# Allegro board FMDEMOD-before-back-annote.brd (continued)
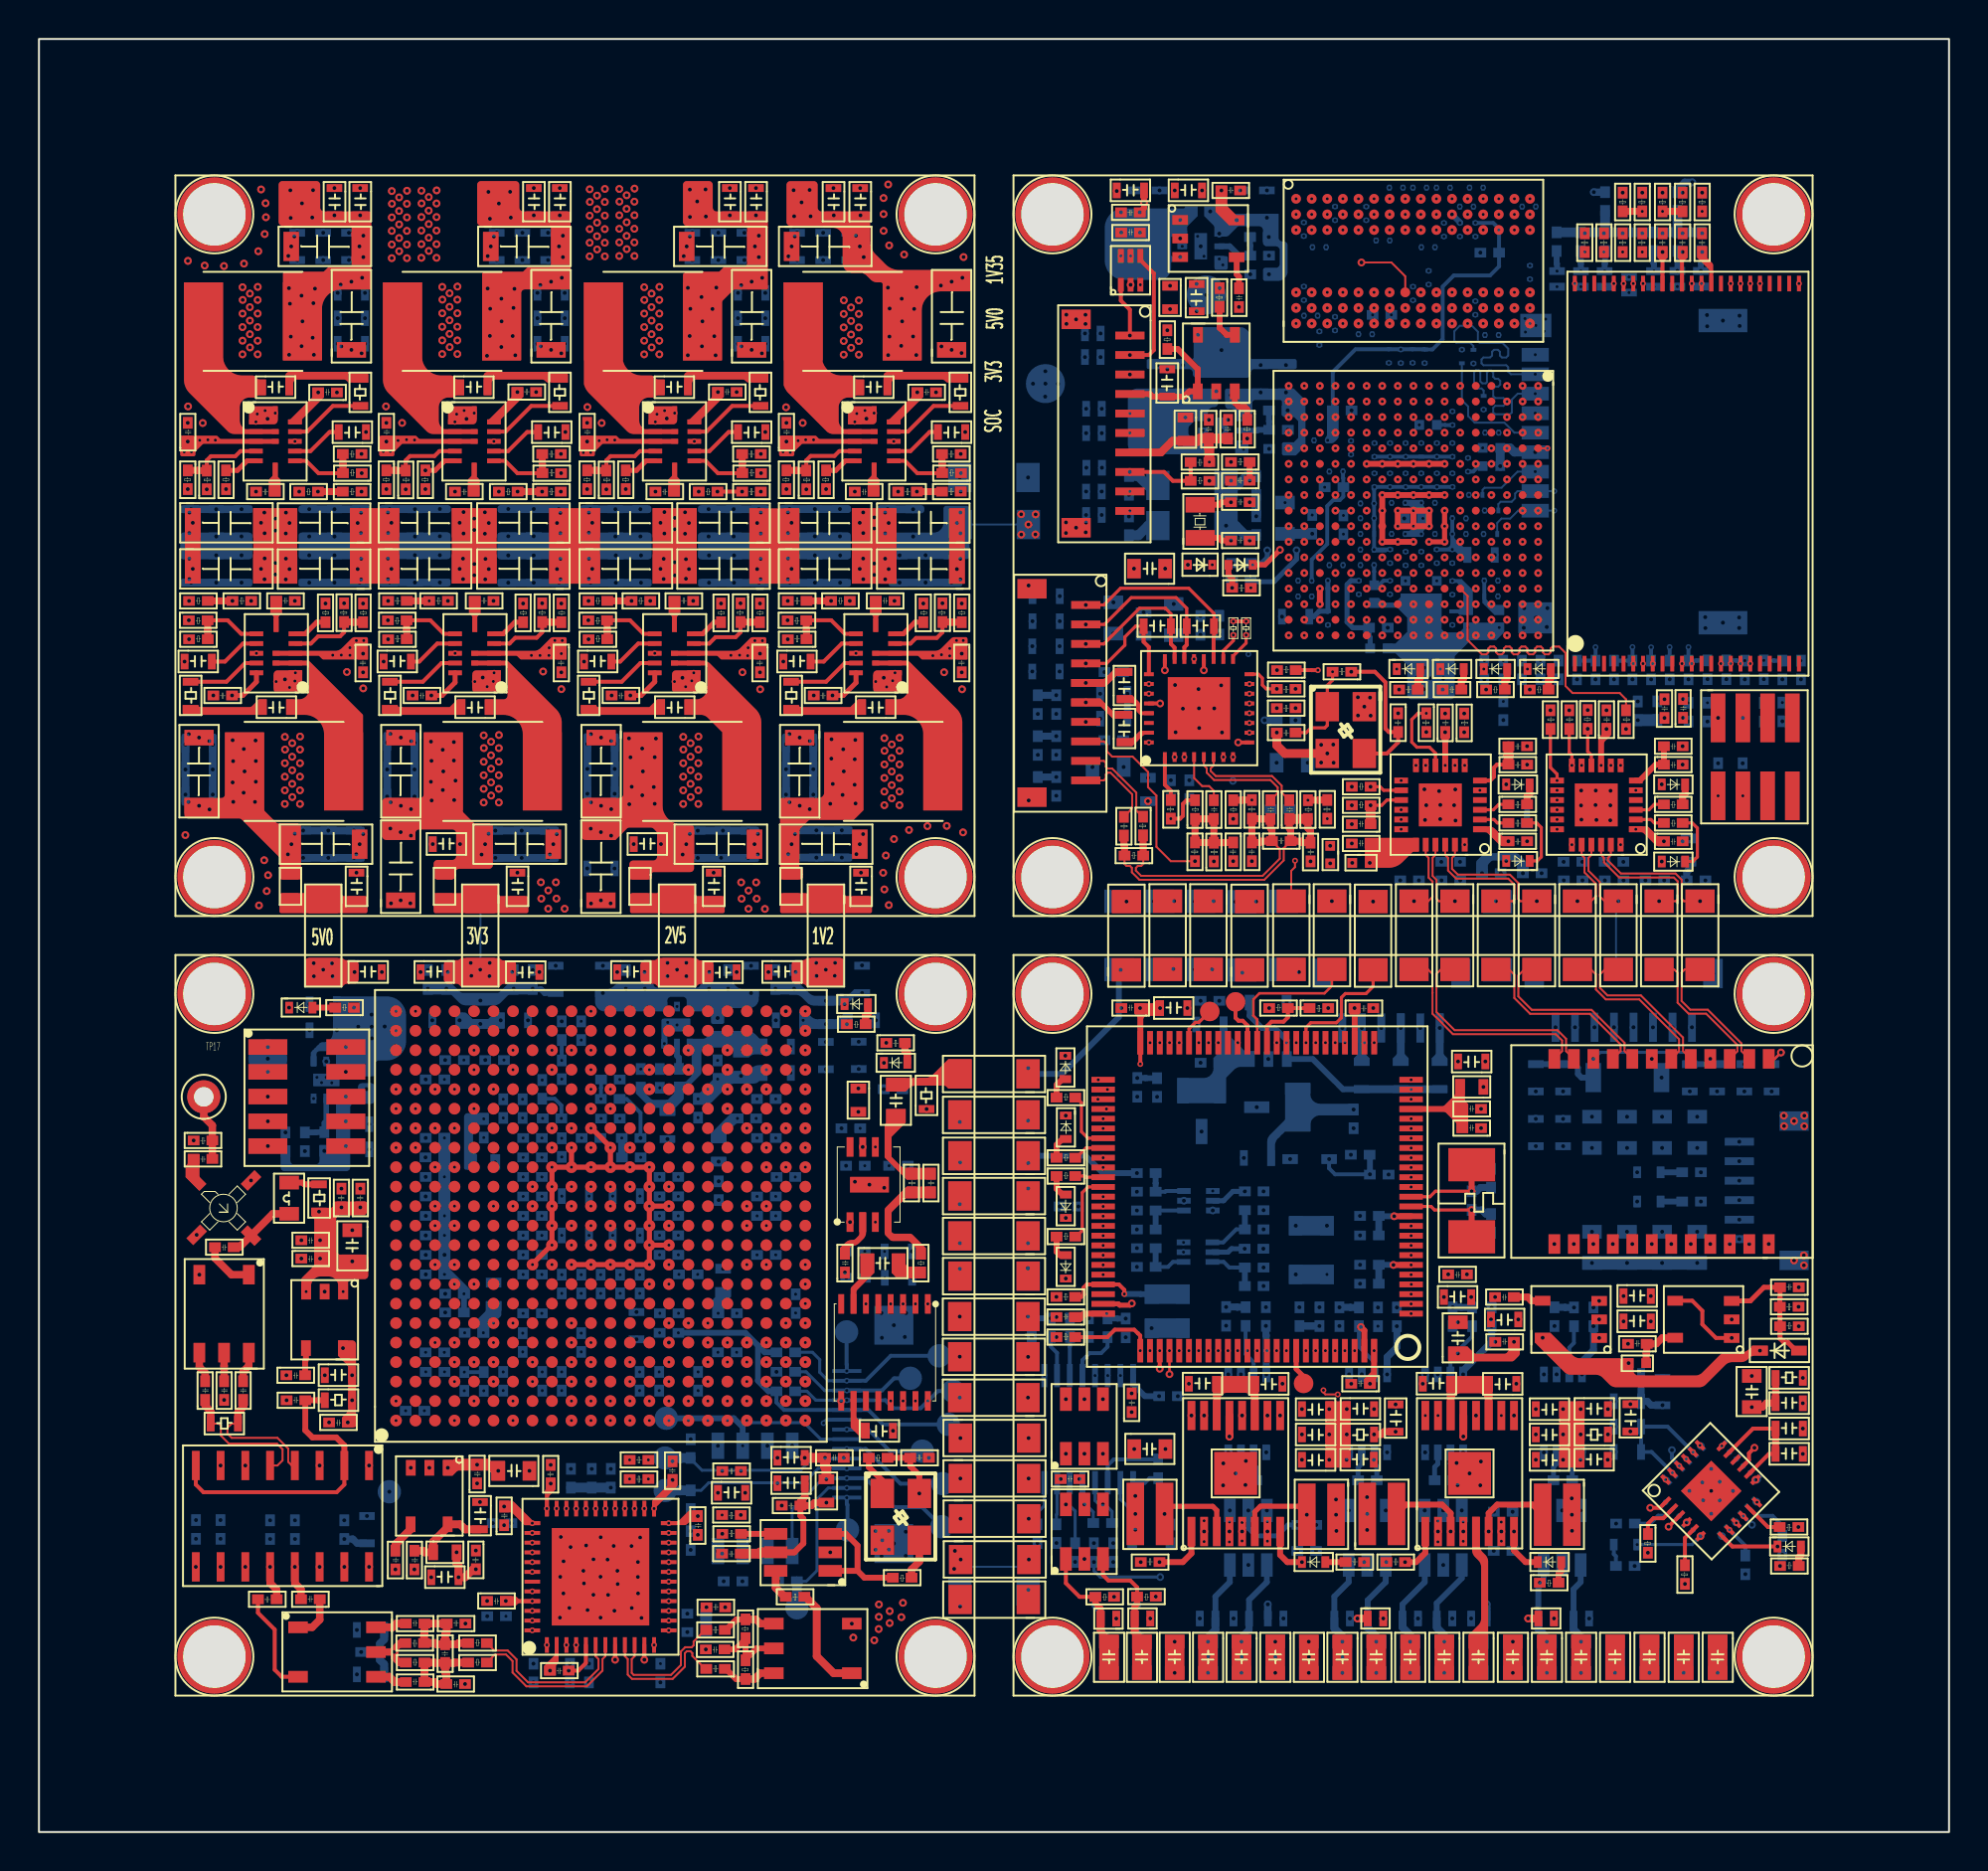
[diagram p0: board, top side]
## Routing (per net, layer and track width the routed paths; a pad name or vN(x,y) marks a point on that pad's centre or on a via; arc(x,y) is an arc through that point) (continued)
ENET1_TXEN: length 18.8
  SIGNAL-L4 w0.1: v15(72.92,63) 72.51,62.59 72.51,60.46 73.06,59.91 73.06,59.33 73.66,58.73 73.66,57.78 74.13,57.3 74.13,56.78 74.63,56.28 75.28,56.28 75.75,56.74 76.05,56.74 76.2,56.6 76.2,56.45 75.48,55.74 75.48,55.46 75.58,55.35 76,55.35 76.36,55.71 77.18,55.71 77.28,55.61 77.28,55.51 77.18,55.41 77.08,55.41 76.98,55.31 76.98,55.21 77.08,55.11 77.75,55.11 77.84,55.01 77.84,54.64 77.75,54.54 77.38,54.54 77.2,54.72 76.98,54.72 76.89,54.62 76.89,54.45 77.46,53.88 77.46,52.55 77.56,52.45 v15(77.89,52.45)
ENET1_TXN: length 5.3
  TOP w0.1: U21.20 79.15,50.13 79.3,49.98 79.3,49.24 79.88,48.66 79.88,48.01 79.63,47.76 v8(78.93,47.76)
  SIGNAL-L3 w0.1: v12(79.19,48.83) 79.19,48.45 79.29,48.35 79.29,48.12 v8(78.93,47.76)
ENET1_TXP: length 5.2
  TOP w0.1: U21.21 79.65,50.13 79.5,49.98 79.5,49.32 80.08,48.74 80.08,48.01 80.33,47.76 v8(81.03,47.76)
  SIGNAL-L3 w0.1: v8(81.03,47.76) 81.03,48.14 81.3,48.4 v12(81.3,48.83)
ENET2_CRS_DV: length 25
  SIGNAL-L3 w0.1: v9(71.15,54.73) 71.15,54.28 70.7,53.83 70.7,52.42 70.88,52.24 71.41,52.24 71.51,52.34 71.51,55.04 71.17,55.37 70.23,55.37 69.32,56.28 69.32,57.04 69.31,57.05 69.31,60.35 70.09,61.13 70.09,64 70.32,64.23 74.75,64.23 74.94,64.04 74.94,63.69 75.27,63.36 75.27,63.03 75.73,62.57 75.73,61.79 v9(76.12,61.4)
ENET2_LED1: length 1.6
  TOP w0.16: R115.1 74.9,52.73 74.62,52.45 U22.3
ENET2_LED2: length 1.5
  TOP w0.16: R117.1 74.83,51.78 74.65,51.95 U22.2
ENET2_NINT: length 15.1
  TOP w0.16: U22.14 68.99,53.45 68.81,53.63 v8(68.32,53.63)
  SIGNAL-L3 w0.1: v9(67.32,66.2) 66.92,65.8 66.92,60.34 66.78,60.2 66.78,56.76 67.23,56.31 67.23,55.27 68.31,54.18 68.31,54.07 68.32,54.07 v8(68.32,53.63)
ENET2_NRST: length 19.1
  TOP w0.16: U22.15 69.36,52.95 69.36,52.95 69.16,52.95 68.89,52.68 v8(68.32,52.68)
  TOP w0.5: C110.1 v8(68.32,52.68)
  SIGNAL-L3 w0.1: v9(67.32,67.8) 67.75,67.37 67.75,59.04 67.13,58.42 67.13,57.96 67.13,57.96 67.13,57.04 67.62,56.55 67.62,55.53 68.78,54.37 68.78,53.14 v8(68.32,52.68)
ENET2_RX+: length 12
  SIGNAL-L4 w0.1: v16(80.81,41.29) 80.36,40.84 80.36,40.28 80.85,39.79 80.85,32.45 81.35,31.95 81.35,30.41 81.59,30.17 v10(81.75,30.17)
ENET2_RX-: length 11.8
  SIGNAL-L4 w0.1: v10(80.75,30.17) 81.14,30.56 81.14,31.86 80.64,32.36 80.64,39.7 80.15,40.19 80.15,40.95 v16(79.81,41.29)
ENET2_RXD0: length 22.7
  SIGNAL-L3 w0.1: v9(72.65,54.73) 72.65,55.13 72.75,55.23 73.38,55.23 73.48,55.33 73.48,55.53 73.38,55.63 72.75,55.63 72.65,55.73 72.65,56.65 72.91,56.91 73.77,56.91 74.27,56.41 74.27,55.58 74.37,55.48 74.57,55.48 74.67,55.58 74.67,56.37 74.77,56.47 75,56.47 75.1,56.37 75.1,55.84 75.2,55.74 75.4,55.74 75.5,55.84 75.5,56.37 75.6,56.47 75.8,56.47 75.9,56.37 75.9,55.84 76,55.74 76.2,55.74 76.3,55.84 76.3,56.37 76.4,56.47 76.59,56.47 76.69,56.57 76.69,57.04 76.59,57.14 75.94,57.14 75.84,57.24 75.84,57.48 75.94,57.58 76.32,57.58 76.58,57.84 76.58,58.04 76.48,58.14 75.42,58.14 75.32,58.24 75.32,58.56 75.68,58.92 75.68,59.37 75.33,59.72 75.33,60.09 75.43,60.19 76.67,60.19 76.77,60.29 76.77,60.43 76.64,60.56 76.41,60.56 76.31,60.66 76.31,60.88 76.21,60.98 76.01,60.98 75.91,60.88 75.91,60.66 75.81,60.56 75.42,60.56 75.32,60.66 v15(75.32,61.4)
ENET2_RXD1: length 24.4
  SIGNAL-L3 w0.1: v15(75.32,62.2) 74.93,62.59 74.35,62.59 74.14,62.8 74.14,63.09 73.82,63.41 70.97,63.41 70.87,63.31 70.87,61.16 70.66,60.95 70.66,60.57 70.56,60.47 69.95,60.47 69.85,60.37 69.85,60.17 69.95,60.07 70.56,60.07 70.66,59.97 70.66,59.67 70.56,59.57 70.19,59.57 70.09,59.47 70.09,59.27 70.19,59.17 70.46,59.17 70.56,59.07 70.56,58.65 70.03,58.12 70.03,56.37 70.53,55.88 71.47,55.88 71.78,55.57 71.78,54.27 71.88,54.17 72.76,54.17 72.86,54.07 72.86,53.87 72.76,53.77 72,53.77 71.9,53.67 71.9,53 72.09,52.82 72.91,52.82 73.46,53.36 73.46,54.09 73.15,54.4 v9(73.15,54.73)
ENET2_RXER: length 22.7
  TOP w0.16: v9(71.18,57.4) 70.75,57.4 70.43,57.08 70.43,55.92 70.7,55.66 71.34,55.66 71.65,55.36 U22.10
  SIGNAL-L3 w0.1: v9(71.18,57.4) 71.43,57.15 71.73,57.15 71.95,57.37 72.34,57.37 72.44,57.27 72.44,56.95 72.31,56.82 70.74,56.82 70.64,56.92 70.64,58.09 70.74,58.19 70.94,58.19 71.04,58.09 71.04,57.87 71.17,57.75 71.99,57.75 72.15,57.9 72.15,58.04 71.95,58.24 71.42,58.24 71.12,58.55 71.12,58.96 71.22,59.06 71.37,59.06 71.47,59.16 71.47,59.36 71.37,59.46 71.22,59.46 71.12,59.56 71.12,59.76 71.22,59.86 71.37,59.86 71.47,59.96 71.47,60.16 71.37,60.26 71.22,60.26 71.12,60.36 71.12,60.56 71.22,60.66 71.37,60.66 71.47,60.76 71.47,60.98 71.71,61.22 71.71,62.68 71.61,62.78 71.34,62.78 71.24,62.88 71.24,63.02 71.34,63.12 71.99,63.12 72.53,62.58 73.2,62.58 73.3,62.48 73.3,62 73.5,61.8 74.12,61.8 v9(74.52,62.2)
ENET2_RXN: length 8.4
  TOP w0.1: U22.22 72.15,50.13 72.3,49.98 72.3,49.33 72.71,48.92 75.39,48.92 75.7,48.61 75.7,47.86 75.6,47.76 v8(74.75,47.76)
  SIGNAL-L3 w0.1: v8(74.75,47.76) 74.75,48.14 75,48.39 v12(75,49.2)
ENET2_RXP: length 8.4
  TOP w0.1: v8(76.85,47.76) 76.02,47.76 75.9,47.88 75.9,48.69 75.47,49.12 72.8,49.12 72.5,49.42 72.5,49.98 72.65,50.13 U22.23
  SIGNAL-L3 w0.1: v12(77.09,49.2) 77.09,48.38 76.85,48.14 v8(76.85,47.76)
ENET2_TX+: length 11.6
  SIGNAL-L4 w0.1: v16(78.81,41.29) 78.64,41.29 78.35,41 78.35,30.57 v10(78.75,30.17)
ENET2_TX-: length 11.5
  SIGNAL-L4 w0.1: v10(77.75,30.17) 78.15,30.57 78.15,41.04 77.89,41.29 v16(77.81,41.29)
ENET2_TX_CLK: length 19.6
  SIGNAL-L3 w0.1: v8(73.12,57.39) 73.87,57.39 74.12,57.14 74.51,57.14 74.58,57.21 74.58,57.44 74.94,57.8 74.94,58 74.84,58.11 74.47,58.11 74.21,57.85 72.71,57.85 72.46,58.1 72.46,58.4 72.56,58.5 73.53,58.5 73.63,58.6 73.63,58.8 73.53,58.9 72.56,58.9 72.46,59 72.46,59.28 72.56,59.38 73.12,59.38 73.23,59.48 73.23,59.69 73.12,59.8 72.36,59.8 71.9,60.25 71.9,60.85 72.03,60.98 72.25,60.98 72.35,60.88 72.35,60.41 72.6,60.16 74.44,60.16 74.55,60.27 74.55,60.47 74.45,60.57 73.22,60.57 73.12,60.67 73.12,60.9 73.24,61.01 74.77,61.01 74.95,61.19 74.95,61.3 74.85,61.4 v15(74.52,61.4)
ENET2_TXD0: length 24.6
  SIGNAL-L3 w0.1: v9(69.89,51.95) 69.56,51.95 69.27,52.25 69.27,54.47 68.5,55.24 68.5,64.73 69.04,65.28 72.97,65.28 73.44,65.75 75.47,65.75 75.74,65.48 75.74,65.17 75.94,64.97 76.43,64.97 76.55,64.86 76.55,63.37 v9(76.92,63)
ENET2_TXD1: length 24.8
  SIGNAL-L3 w0.1: v9(76.92,62.2) 77.61,61.51 78.1,61.51 78.2,61.41 78.2,61.21 78.1,61.11 77.34,61.11 77.15,60.92 77.15,60.81 77.25,60.71 78.1,60.71 78.2,60.61 78.2,60.41 78.1,60.31 77.25,60.31 77.15,60.21 77.15,60.01 77.25,59.91 78.3,59.91 78.52,59.69 78.52,58.92 78.11,58.51 77.52,58.51 77.12,58.1 77.12,55.84 76.62,55.35 75.42,55.35 74.61,54.54 74.61,52.59 73.47,51.45 72.01,51.45 71.91,51.35 71.91,50.79 71.81,50.69 71.61,50.69 71.51,50.79 71.51,51.35 71.41,51.45 71.21,51.45 71.11,51.35 71.11,50.79 71.01,50.69 70.81,50.69 70.71,50.79 70.71,51.35 70.61,51.45 v9(69.89,51.45)
ENET2_TXEN: length 22.9
  SIGNAL-L3 w0.1: v9(69.89,52.45) 69.57,52.77 69.57,53.32 69.67,53.42 70.11,53.42 70.36,53.67 70.36,54.34 70.12,54.57 70,54.57 69.88,54.57 69.72,54.73 69.72,54.85 69.84,54.98 69.84,55.1 69.68,55.26 69.56,55.26 69.43,55.14 69.27,55.14 69.15,55.25 69.15,55.42 69.15,55.54 68.85,55.84 68.85,60.7 69.29,61.14 69.29,64.64 69.6,64.95 75.47,64.95 75.72,64.7 75.72,63.73 76.12,63.33 v9(76.12,63)
ENET2_TXN: length 5
  TOP w0.1: v8(70.55,47.76) 71.28,47.76 71.5,47.98 71.5,48.77 71.3,48.97 71.3,49.98 71.15,50.13 U22.20
  SIGNAL-L3 w0.1: v12(70.8,48.83) 70.8,48.45 70.55,48.2 v8(70.55,47.76)
ENET2_TXP: length 5.1
  TOP w0.1: v8(72.65,47.76) 71.83,47.76 71.71,47.89 71.71,48.86 71.5,49.06 71.5,49.98 71.65,50.13 U22.21
  SIGNAL-L3 w0.1: v8(72.65,47.76) 72.65,48.18 72.92,48.45 v12(72.92,48.83)
ENET_MDC: length 20
  TOP w0.16: R71.1 77.55,54.62 77.89,54.28 v17(77.89,53.95)
  SIGNAL-L4 w0.1: v17(69.89,53.95) 69.89,56.16 68.78,57.28 68.78,60.4 69.34,60.97 69.34,61.78 v15(68.92,62.2)
  SIGNAL-L8 w0.1: v17(69.89,53.95) 70.22,53.95 70.39,53.78 77.39,53.78 77.56,53.95 v17(77.89,53.95)
ENET_MDIO: length 17.9
  TOP w0.16: R72.1 78.52,55.39 78.65,55.26 v17(78.65,54.73)
  SIGNAL-L4 w0.1: v15(69.72,61.4) 69.72,60.67 69.15,60.1 69.15,57.77 70.65,56.27 v17(70.65,54.73)
  SIGNAL-L8 w0.1: v17(78.65,54.73) 77.52,54.73 77,54.22 71.16,54.22 v17(70.65,54.73)
FPGA_RST_CPU: length 23.7
  SIGNAL-L3 w0.1: v8(47.26,11.58) 46.77,11.58 46.33,12.01 46.33,27.12 45.82,27.63 40.34,27.63 39.83,27.11 v9(39.32,27.11)
FPGA_RST_MCU: length 8.5
  SIGNAL-L3 w0.1: v9(39.32,29.11) 39.65,29.11 40.49,28.27 46.24,28.27 46.87,28.9 v8(47.25,28.9)
FPGA_SPI2_CS: length 10.9
  SIGNAL-L3 w0.1: v8(47.24,32.22) 46.28,32.22 44.02,34.47 41.85,34.47 41.77,34.55 41.77,34.69 41.7,34.76 41.44,34.76 41.37,34.69 41.37,34.55 41.3,34.49 41.04,34.49 40.97,34.55 40.97,34.69 40.9,34.76 40.64,34.76 40.57,34.69 40.57,34.55 40.5,34.49 40.24,34.49 40.1,34.62 38.81,34.62 v9(38.32,35.11)
FPGA_SPI2_MISO: length 10.9
  SIGNAL-L3 w0.1: v9(39.32,34.11) 43.16,34.11 43.75,33.53 43.89,33.53 43.98,33.62 44.12,33.62 44.26,33.48 44.26,33.34 44.17,33.25 44.17,33.11 44.31,32.97 44.45,32.97 44.54,33.06 44.69,33.06 44.83,32.92 44.83,32.77 44.74,32.68 44.74,32.54 44.88,32.4 45.02,32.4 45.11,32.49 45.25,32.49 45.39,32.35 45.39,32.21 45.3,32.12 45.3,31.98 45.44,31.83 45.58,31.83 45.68,31.93 45.82,31.93 45.96,31.78 45.96,31.64 45.87,31.55 45.87,31.41 46.35,30.93 v12(47.24,30.93)
FPGA_SPI2_MOSI: length 10.5
  SIGNAL-L3 w0.1: v9(38.32,34.11) 38.83,33.6 42.98,33.6 46.37,30.21 v8(47.25,30.21)
FPGA_SPI2_SCLK: length 11.2
  SIGNAL-L3 w0.1: v12(47.25,33.03) 46.41,33.03 46.18,33.26 46.18,33.4 46.37,33.59 46.37,33.73 46.23,33.87 46.09,33.87 45.9,33.68 45.76,33.68 45.62,33.82 45.62,33.96 45.8,34.15 45.8,34.29 45.66,34.44 45.52,34.44 45.33,34.25 45.19,34.25 45.05,34.39 45.05,34.53 45.24,34.72 45.24,34.86 45.1,35 44.96,35 44.77,34.81 44.63,34.81 44.33,35.11 43.77,35.11 43.44,34.78 42.35,34.78 42.02,35.11 v9(39.32,35.11)
FPGA_SPI_CS: length 8.4
  SIGNAL-L3 w0.1: v12(47.26,35.03) 46.88,35.03 46.88,35.03 46.71,35.03 45.63,36.11 v9(39.32,36.11)
FPGA_SPI_MISO: length 9.7
  SIGNAL-L3 w0.1: v8(47.26,34.36) 46.68,34.36 45.41,35.63 38.81,35.63 v9(38.32,36.11)
FPGA_SPI_MOSI: length 9.4
  SIGNAL-L3 w0.1: v8(47.25,36.43) 46.98,36.7 42.89,36.7 42.69,36.49 41.48,36.49 41.28,36.7 38.7,36.7 38.55,36.85 38.55,36.88 v9(38.32,37.11)
FPGA_SPI_SCLK: length 8.2
  SIGNAL-L3 w0.1: v12(47.25,37.22) 46.87,37.22 46.76,37.11 42.89,37.11 42.62,37.38 41.46,37.38 41.19,37.11 v9(39.32,37.11)
FPGA_UART2_RXD: length 12.6
  SIGNAL-L7 w0.1: v13(35.32,25.11) 36.2,25.11 36.69,24.62 44.92,24.62 45.62,23.92 46.77,23.92 v18(47.24,24.39)
FPGA_UART2_TXD: length 12.7
  SIGNAL-L7 w0.1: v18(47.24,22.29) 46.59,22.94 44.84,22.94 44.14,23.65 35.78,23.65 v13(35.32,24.11)
FPGA_UART_RXD: length 8.5
  SIGNAL-L3 w0.1: v12(47.24,38.9) 45.94,38.9 45.16,38.11 43.12,38.11 42.76,37.75 41.31,37.75 40.95,38.11 v9(39.32,38.11)
FPGA_UART_TXD: length 20.8
  SIGNAL-L7 w0.1: v13(37.32,23.11) 36.85,22.64 36.85,13.33 37.84,12.34 v14(47.25,12.34)
GPIO1_IO1: length 7.3
  SIGNAL-L7 w0.1: v13(68.92,63) 69.53,63 69.92,62.61 70.67,62.61 70.93,62.34 70.93,61.05 71.45,60.53 72.76,60.53 73.62,59.67 v13(74.13,59.67)
GPIO1_IO2: length 14.1
  SIGNAL-L7 w0.1: v13(76.37,59.67) 76.6,59.44 76.6,58.31 75.86,57.57 73.76,57.57 73.35,57.98 73.35,59.38 72.53,60.19 71,60.19 68.53,62.67 68.53,63.41 v13(68.92,63.8)
GPIO1_IO3: length 2
  SIGNAL-L7 w0.1: v13(68.92,61.4) 69.67,60.65 v13(69.67,59.67)
GPIO1_IO4: length 10.1
  SIGNAL-L7 w0.1: v13(68.12,62.2) 68.36,61.96 68.36,61.07 69,60.43 69,58.61 69.7,57.91 72.1,57.91 72.85,58.65 72.85,59.21 72.39,59.67 v13(71.9,59.67)
HPD: length 11
  SIGNAL-L4 w0.1: v15(60.77,55.16) 60.77,54.3 59.95,53.49 52.83,53.49 v16(52.19,54.13)
  BOTTOM w0.36: 51.25,54.13 v16(52.19,54.13)
I2C2_SCL: length 13.8
  TOP w0.16: U24.17 61.27,60.34 61.93,61 v17(61.93,61.42)
  SIGNAL-L8 w0.1: v17(61.93,61.42) 63.14,62.63 72.15,62.63 72.53,62.25 72.53,61.79 v17(72.92,61.4)
I2C2_SDA: length 23.1
  TOP w0.16: U24.18 60.77,60.61 61.28,61.13 v17(61.28,61.42)
  SIGNAL-L8 w0.1: v17(61.28,61.42) 61.79,60.91 62.3,60.91 62.53,60.67 62.53,60.25 62.15,59.86 60.77,59.86 60.11,60.52 60.11,62.47 62.45,64.8 65.95,64.8 66.57,65.41 67.31,65.41 69.33,63.39 70.5,63.39 70.96,63.84 70.96,64.42 71.14,64.6 v17(72.12,64.6)
I2S_BCK: length 10.2
  SIGNAL-L3 w0.1: v9(37.32,24.11) 37.84,24.63 44.33,24.63 45.6,25.9 v9(45.6,27.1)
I2S_DATA: length 10.1
  SIGNAL-L3 w0.1: v9(39.32,25.11) 39.92,25.11 40.02,25.21 40.02,25.43 40.12,25.53 40.32,25.53 40.42,25.43 40.42,25.21 40.52,25.11 40.72,25.11 40.82,25.21 40.82,25.43 40.92,25.53 41.12,25.53 41.22,25.43 41.22,25.21 41.32,25.11 41.52,25.11 41.62,25.21 41.62,25.43 41.72,25.53 41.92,25.53 42.02,25.43 42.02,25.21 42.12,25.11 42.32,25.11 42.42,25.21 42.42,25.43 42.52,25.53 42.72,25.53 42.82,25.43 42.82,25.21 42.92,25.11 43.12,25.11 43.22,25.21 43.22,25.43 43.32,25.53 43.52,25.53 43.62,25.43 43.62,25.21 43.72,25.11 44.16,25.11 44.97,25.93 v9(44.97,27.1)
I2S_LRCK: length 10.7
  SIGNAL-L3 w0.1: v9(38.32,25.11) 39.28,26.07 40.29,26.07 40.39,26.17 40.39,26.98 40.49,27.08 40.69,27.08 40.79,26.98 40.79,26.17 40.89,26.07 41.09,26.07 41.19,26.17 41.19,26.98 41.29,27.08 41.49,27.08 41.59,26.98 41.59,26.17 41.69,26.07 43.84,26.07 44.33,26.57 v9(44.33,27.1)
I2S_SCK: length 9.5
  SIGNAL-L3 w0.1: v9(39.32,24.11) 44.27,24.11 44.43,23.95 44.78,23.95 45.39,24.56 45.53,24.56 45.67,24.42 45.67,24.28 45.06,23.67 45.06,23.41 45.6,22.86 v9(45.6,22.12)
IO2: length 6.9
  SIGNAL-L3 w0.1: v9(18.32,38.11) 17.66,38.11 17.42,38.36 14.66,38.36 14.01,39.01 v8(11.74,39.01)
IO3: length 6.8
  SIGNAL-L3 w0.1: v8(11.74,37.73) 13.96,37.73 14.58,37.11 v9(18.32,37.11)
IO4: length 6.9
  SIGNAL-L3 w0.1: v9(18.32,36.11) 17.24,36.11 16.97,35.84 14.35,35.84 13.73,36.47 v8(11.74,36.47)
IO5: length 7.1
  SIGNAL-L3 w0.1: v8(11.74,35.2) 12.44,35.2 13.11,34.53 17.32,34.53 17.9,35.11 v9(18.32,35.11)
IO6: length 4
  SIGNAL-L3 w0.1: v8(15.74,35.2) 17,35.2 17.41,35.61 18.83,35.61 v9(19.32,35.11)
IO7: length 3.8
  SIGNAL-L3 w0.1: v9(19.32,36.11) 18.82,36.62 16.78,36.62 16.63,36.47 v8(15.74,36.47)
IO8: length 3.8
  SIGNAL-L3 w0.1: v8(15.74,37.73) 17.29,37.73 17.42,37.6 18.83,37.6 v9(19.32,37.11)
IO9: length 3.9
  SIGNAL-L3 w0.1: v9(19.32,38.11) 18.8,38.63 17.92,38.63 17.55,39.01 v8(15.74,39.01)
LASER_TXD: length 28.6
  SIGNAL-L4 w0.127: v10(50.77,18.14) 51.8,17.11 51.8,16.27 52.25,15.82 52.92,15.82 54.13,14.62 v16(54.13,13.85)
  SIGNAL-L8 w0.1: v6(57.53,13.08) 58.07,13.08 58.59,13.6 58.59,21.51 59.37,22.3 59.37,26.51 56.89,29 v6(56.33,29)
  BOTTOM w0.16: v6(57.53,13.08) 54.45,13.08 54.13,13.41 v16(54.13,13.85)
LCD_DATA0: length 24.6
  TOP w0.36: R86.2 v13(82.26,83.16)
  SIGNAL-L7 w0.1: v13(76.12,67.8) 76.78,68.46 82.64,68.46 85.01,70.82 85.01,77.14 84.19,77.96 84.19,78.46 83.52,79.13 83.52,80.81 82.76,81.58 82.76,82.66 v13(82.26,83.16)
LCD_DATA1: length 25.2
  TOP w0.36: v13(83.3,83.16) R91.2
  SIGNAL-L7 w0.1: v13(83.3,83.16) 83.89,82.57 84.55,82.57 84.82,82.31 84.82,80.12 84.3,79.6 84.3,79.01 85.52,77.78 85.52,70.55 82.98,68.01 78.47,68.01 78.31,68.17 77.29,68.17 v13(76.92,67.8)
LCD_DATA2: length 26.8
  SIGNAL-L7 w0.1: v13(85.33,83.16) 85.33,82.82 86,82.16 86,70.23 83.37,67.6 78.37,67.6 78.17,67.39 74.11,67.39 v13(73.72,67)
LCD_DATA3: length 20
  SIGNAL-L8 w0.1: v17(74.52,67) 75.83,68.31 80.03,68.31 82.04,70.32 82.04,80.29 v17(81.26,81.07)
LCD_DATA4: length 21.2
  SIGNAL-L8 w0.1: v17(82.26,81.07) 82.85,81.07 83.42,80.5 83.42,70.09 80.63,67.3 75.62,67.3 v17(75.32,67)
LCD_DATA5: length 12.9
  SIGNAL-L7 w0.1: v19(84.63,60.8) 84.63,61.12 79.16,66.6 76.52,66.6 v13(76.12,67)
  BOTTOM w0.2: v19(84.63,60.8) 84.63,60.1
  BOTTOM w0.22: 84.63,60.1 85.06,60.1 85.07,60.11 R60.1
LCD_DATA6: length 15.7
  SIGNAL-L7 w0.1: v19(88.5,60.11) 88.5,60.6 87.78,61.31 85.41,61.31 79.72,67 v13(76.92,67)
  BOTTOM w0.22: v19(88.5,60.11) 89.01,60.11 89.02,60.1 89.45,60.1
LCD_DATA7: length 22.4
  SIGNAL-L8 w0.1: v7(90.4,60.1) 89.26,60.1 ; 89.26,60.1 89.26,61.99 84.66,66.59 75.68,66.59 75.29,66.2 v17(74.52,66.2) ; 89.26,60.1 88.89,59.74 88.89,58.5 v7(89.45,57.95)
LCD_DATA8: length 10.1
  SIGNAL-L7 w0.1: v13(76.12,66.2) 76.51,65.81 78.69,65.81 82.72,61.78 v19(82.72,60.79)
  BOTTOM w0.2: v19(82.72,60.79) 82.72,60.1
LCD_DATA9: length 10.1
  SIGNAL-L7 w0.1: v13(76.92,66.2) 78.97,66.2 83.67,61.51 v19(83.67,60.8)
  BOTTOM w0.2: 83.67,60.1 83.67,60.11 v19(83.67,60.8)
LCD_DATA10: length 21.2
  SIGNAL-L8 w0.1: v17(73.72,65.4) 73.49,65.63 73.49,66.58 76.12,69.21 79.48,69.21 81.03,70.77 81.03,80.33 v17(80.29,81.07)
LCD_DATA11: length 17.1
  SIGNAL-L8 w0.1: v7(87.52,60.1) 87.52,61.73 84.23,65.02 74.9,65.02 v17(74.52,65.4)
  BOTTOM w0.22: v7(87.52,60.1) 87.1,60.1 87.09,60.11 R64.1
LCD_DATA12: length 18.9
  SIGNAL-L8 w0.1: v7(88.5,57.94) 87.98,58.46 87.98,62.42 84.6,65.8 75.72,65.8 v17(75.32,65.4)
LCD_DATA13: length 8.7
  SIGNAL-L7 w0.1: v19(79.86,60.8) 79.86,63.15 78.03,64.99 76.53,64.99 v13(76.12,65.4)
  BOTTOM w0.2: v19(79.86,60.8) 79.86,60.1
  BOTTOM w0.22: 78.91,60.1 79.86,60.1
LCD_DATA14: length 9.1
  SIGNAL-L7 w0.1: v19(81.76,60.8) 81.76,62.03 78.39,65.4 v13(76.92,65.4)
  BOTTOM w0.2: v19(81.76,60.8) 81.76,60.1
  BOTTOM w0.22: 80.81,60.1 81.76,60.1
LCD_DATA15: length 21.9
  SIGNAL-L8 w0.1: v17(79.31,81.07) 79.31,80.61 79.72,80.2 79.72,71.65 78.37,70.29 75.95,70.29 73.07,67.41 73.07,65.15 73.38,64.83 74.29,64.83 v17(74.52,64.6)
LCD_DATA16: length 16.2
  SIGNAL-L8 w0.1: v17(75.32,64.6) 75.71,64.21 83.99,64.21 86.08,62.12 86.08,58.41 v7(85.61,57.94)
LCD_DATA17: length 5.3
  SIGNAL-L7 w0.1: v19(76.09,60.1) 76.09,60.97 77.03,61.91 77.03,62.48 76.51,63 76.51,64.21 v13(76.12,64.6)
LCD_DATA18: length 6.4
  SIGNAL-L7 w0.1: v13(76.92,64.6) 77.83,64.6 79.07,63.36 79.07,61.72 77.97,60.61 v19(77.97,60.1)
LCD_DATA19: length 3.8
  SIGNAL-L7 w0.1: v13(74.52,63.8) 74.16,63.44 v19(74.16,60.1)
LCD_DATA20: length 13.5
  SIGNAL-L8 w0.1: v17(75.32,63.8) 75.7,63.42 82.08,63.42 83.2,62.31 83.2,59.38 v7(84.63,57.94)
LCD_DATA21: length 5.1
  SIGNAL-L7 w0.1: v13(76.12,63.8) 76.12,63.27 75.98,63.13 75.13,63.13 74.56,62.57 74.56,61 75.13,60.43 v19(75.13,60.1)
LCD_DATA22: length 5
  SIGNAL-L7 w0.1: v19(77.04,60.1) 77.04,60.66 78.09,61.72 78.09,63.34 77.64,63.8 v13(76.92,63.8)
LCD_DATA23: length 4.6
  SIGNAL-L7 w0.1: v13(76.12,62.2) 75.62,61.7 75.62,58.49 v19(75.13,58.01)
LDO_3V3: length 4.5
  TOP w0.4: C233.2 19.7,14.44 19.78,14.35 L9.1 20.23,14.9 20.97,15.64 20.97,15.79 21.61,15.79 21.87,15.53 C234.2
LED1: length 2.9
  SIGNAL-L3 w0.1: v9(39.32,40.11) 39.95,40.11 40.41,40.57 40.41,40.91 40.95,41.45 v8(41.45,41.45)
LED2: length 4.9
  SIGNAL-L3 w0.1: v9(39.32,39.11) 40.41,39.11 40.91,39.61 42.44,39.61 42.85,40.02 42.85,40.27 43.07,40.49 v8(43.47,40.49)
LED3: length 3.6
  SIGNAL-L3 w0.1: v9(19.32,42.11) 18.86,41.65 17.48,41.65 16.84,42.3 v8(16.16,42.3)
LIMIT_SW1: length 9.5
  SIGNAL-L8 w0.1: v17(58.5,24.7) 58.5,22.47 57.75,21.72 57.75,20.54 54.59,17.38 v11(54.59,16.81)
LIMIT_SW2: length 9.7
  SIGNAL-L8 w0.1: v11(52.69,16.81) 52.69,18.44 57,22.76 v17(57,24.7)
LIMIT_SW3: length 9.7
  SIGNAL-L4 w0.1: v15(54.6,30.6) 54.27,30.6 53.26,29.59 53.26,23.54 v10(54.59,22.21)
LIMIT_SW4: length 7.9
  SIGNAL-L8 w0.1: v17(54.6,29.1) 54.27,29.1 53.28,28.11 53.28,24.7 52.69,24.1 v11(52.69,22.21)
M1_DRV+:
  vias: v10(59.78,15.42) v10(59.98,9.77) v10(60,9.01) v10(59.98,8.17) v15(59.78,15.97) v15(59.78,14.9)
M1_DRV-:
  vias: v8(61.08,15.42) v8(61.7,9.77) v8(61.71,8.99) v8(61.7,8.17) v9(61.08,15.91) v9(61.08,14.88)
M1_I_ADC: length 15.4
  SIGNAL-L7 w0.2: v14(60.91,26.94) 61.24,27.27 63.5,27.27 65.3,29.07 65.3,32.05 67.84,34.6 v13(70.4,34.6)
  BOTTOM w0.36: R30.2 61.48,26.93 61.47,26.94 v14(60.91,26.94)
M1_PWM+: length 20.4
  SIGNAL-L4 w0.1: v10(63.03,21.37) 62.44,21.96 61.72,21.96 61.62,22.06 61.62,23.03 61.52,23.13 61.32,23.13 61.22,23.03 61.22,22.06 61.12,21.96 57.29,21.96 56.18,23.08 56.18,25.59 56.99,26.41 56.99,28.17 55.72,29.45 55.72,31.64 55.26,32.1 v15(54.6,32.1)
M1_PWM-: length 21.2
  SIGNAL-L8 w0.1: v17(64.01,40.5) 64.01,39.38 61.37,36.74 61.37,29.18 61.88,28.67 61.88,23.17 v11(63.68,21.37)
M2_DRV+:
  vias: v8(63.03,15.42) v8(65.15,9.77) v8(65.16,8.99) v8(65.15,8.17) v9(63.03,15.92) v9(63.03,14.92)
M2_DRV-:
  vias: v10(61.73,15.42) v10(63.43,9.77) v10(63.44,8.98) v10(63.43,8.17) v15(61.73,15.88) v15(61.73,14.93)
M2_I_ADC: length 10.6
  SIGNAL-L7 w0.2: v13(70.4,34.1) 70.02,34.1 69.83,33.9 69.83,33.16 69.3,32.64 68.22,32.64 67.65,32.06 67.65,28.86 66.72,27.94 v14(66.72,26.92)
  BOTTOM w0.36: R31.2 67.28,26.91 67.27,26.92 v14(66.72,26.92)
M2_PWM+: length 19.8
  SIGNAL-L4 w0.1: v10(59.13,21.37) 58.15,21.37 58.05,21.27 58.05,20 57.95,19.9 57.74,19.9 57.65,20 57.65,21.27 57.55,21.37 57.34,21.37 57.24,21.27 57.24,20 57.15,19.9 56.95,19.9 56.84,20 56.84,21.42 55.67,22.59 55.67,25.64 56.5,26.47 56.5,27.72 55.21,29.02 55.21,31.32 54.93,31.6 v15(54.6,31.6)
M2_PWM-: length 20.7
  SIGNAL-L8 w0.1: v17(63.51,40.5) 63.51,39.96 60.72,37.17 60.72,29.2 60.26,28.74 60.26,21.85 v11(59.78,21.37)
M3_DRV+:
  vias: v8(70.35,9.77) v8(70.35,8.17) v8(71.78,15.42) v9(71.78,15.96) v9(71.78,14.89)
M3_DRV-:
  vias: v8(72.1,9.77) v8(72.1,8.17) v8(73.08,15.42) v9(73.07,15.91) v9(73.08,14.92)
M3_I_ADC: length 9.1
  SIGNAL-L7 w0.2: v13(70.4,33.6) 70.87,33.6 72.83,31.63 72.83,27.23 v14(72.53,26.92)
  BOTTOM w0.36: R44.2 72.97,26.91 72.96,26.92 v14(72.53,26.92)
M3_PWM+: length 26.4
  SIGNAL-L4 w0.127: v15(59.51,40.5) 59.51,39.53 61.3,37.74 64.23,37.74 66.76,35.2 66.76,26.32 67.78,25.3 68.98,25.3 71.13,23.16 v15(71.13,21.37)
M3_PWM-: length 26.4
  SIGNAL-L4 w0.127: v15(71.78,21.37) 71.78,23.6 69.34,26.04 68.18,26.04 67.54,26.68 67.54,35.59 64.66,38.47 61.7,38.47 60.01,40.16 v15(60.01,40.5)
M4_DRV+:
  vias: v8(75.03,15.42) v8(75.62,9.77) v8(75.62,8.17) v9(75.03,15.91) v9(75.03,14.92)
M4_I_ADC: length 16.1
  SIGNAL-L3 w0.2: v9(70.4,35.1) 75.61,35.1 79.29,31.42 79.29,29.25 78.76,28.72 v12(78.76,26.91)
  BOTTOM w0.36: v12(78.76,26.91) 78.32,26.91 78.31,26.92 C48.1
M4_PWM+: length 32
  SIGNAL-L3 w0.1: v8(75.68,21.37) 74.92,20.61 70.74,20.61 70.21,21.13 64.78,21.13 64.48,21.44 64.48,24.94 61.74,27.67 61.74,32.74 61.16,33.32 55.33,33.32 v9(54.6,32.6)
M4_PWM-: length 32.5
  SIGNAL-L4 w0.127: v15(75.03,21.37) 75.03,22.94 75.85,23.77 75.85,23.95 75.67,24.13 75.49,24.13 74.63,23.26 74.45,23.26 74.27,23.44 74.27,23.62 75.13,24.48 75.13,24.66 74.95,24.84 74.77,24.84 73.91,23.98 73.73,23.98 73.55,24.16 73.55,24.34 74.41,25.2 74.41,25.38 74.23,25.56 74.06,25.56 73.64,25.14 72.5,25.14 70.95,26.7 69.43,26.7 68.72,27.41 68.72,32.06 69.18,32.52 69.18,36.91 67.77,38.32 66.72,38.32 65.51,39.54 v15(65.51,40.5)
MCU_LED1: length 1.6
  TOP w0.16: U3.58 53.72,35.1 53.22,34.59 53.17,34.59
MCU_LED2: length 3.2
  TOP w0.16: U3.57 53.82,35.6 53.49,35.93 53.49,37.41 53.22,37.68 53.17,37.68
MCU_LED3: length 3.6
  TOP w0.16: 53.17,30.55 53.22,30.55 53.53,30.86 53.53,32.8 53.82,33.1 U3.62
MCU_LED4: length 1.5
  TOP w0.16: U3.61 53.7,33.6 53.65,33.66 53.17,33.66
MCU_RST_CPU: length 48.1
  TOP w0.16: R211.1 68.45,43.39 68.09,43.02 67.03,43.02 66.82,42.82 66.82,41.78 66.56,41.52 65.25,41.52 65.01,41.28 v13(65.01,40.5)
  SIGNAL-L7 w0.1: v14(57.37,37.72) 63.93,37.72 65.01,38.8 v13(65.01,40.5)
  SIGNAL-L8 w0.1: v11(50.76,12.43) 51.15,12.43 52.74,14.02 52.74,15.2 51.69,16.25 51.69,19.41 52.87,20.59 54,20.59 56.51,23.1 56.51,27.48 55.64,28.35 55.64,29.14 55.99,29.49 56.99,29.49 58.19,30.68 58.19,36.32 57.37,37.14 v14(57.37,37.72)
MCU_RST_FPGA: length 7.9
  SIGNAL-L3 w0.1: 53.71,31.1 v9(54.6,31.1) ; 53.71,31.1 51.48,28.87 51.48,27.88 50.74,27.14 v8(50.74,26.45) ; 53.71,31.1 53.33,31.48 v12(53.33,32.1)
MCU_SPI2_MISO: length 8.8
  SIGNAL-L4 w0.1: v15(54.33,37.6) 53.58,37.6 52.36,36.38 52.36,32.16 51.12,30.93 v16(50.74,30.93)
MCU_SPI2_MOSI: length 9.4
  SIGNAL-L4 w0.1: v10(50.74,30.21) 51.12,30.21 52.81,31.9 52.81,36.22 53.69,37.1 v15(54.77,37.1)
MCU_SPI2_NSS: length 8.2
  SIGNAL-L4 w0.1: v15(54.35,38.6) 52.84,38.6 51.34,37.1 51.34,33.22 51.13,33.02 v10(50.75,33.02)
MCU_SPI2_SCK: length 8.7
  SIGNAL-L4 w0.1: v16(50.74,32.3) 51.23,32.3 51.87,32.93 51.87,36.75 53.22,38.1 v15(54.82,38.1)
MCU_UART1_RXD: length 22.8
  SIGNAL-L8 w0.1: v17(54.6,29.6) 55.02,29.6 55.86,30.44 56.82,30.44 57.62,31.24 57.62,35.68 55.66,37.64 55.66,39.28 56.37,39.99 60.82,39.99 62.45,41.61 v6(62.45,44.09)
MCU_UART1_TXD: length 21.9
  SIGNAL-L8 w0.1: v17(54.6,30.1) 54.6,30.44 55.56,31.4 56.62,31.4 57.12,31.91 57.12,34.97 55.1,36.99 55.1,39.68 56.21,40.79 60.7,40.79 61.74,41.83 v11(61.74,44.09)
MCU_UART3_RXD: length 13.4
  SIGNAL-L7 w0.1: v14(62.83,30.92) 63.39,31.49 63.39,34.71 62,36.1 v13(54.6,36.1)
MCU_UART3_TXD: length 6.8
  SIGNAL-L7 w0.1: v14(56.33,32.85) 55.69,33.5 54.14,33.5 53.35,34.29 53.35,35.98 53.97,36.6 v13(54.6,36.6)
MCU_UART4_RXD: length 17.7
  TOP w0.127: v8(58,23.49) v15(58,24.7)
  SIGNAL-L3 w0.1: v8(58,23.49) 58,23.12 57.1,22.21 55.48,22.21 54.77,21.5 51.53,21.5 v8(50.74,22.29)
  SIGNAL-L4 w0.1: v16(62.83,28.01) 58.51,28.01 58,27.51 v15(58,24.7)
MCU_UART4_TXD: length 16.3
  TOP w0.2: v8(57.5,23.77) v15(57.5,24.7)
  SIGNAL-L3 w0.127: v8(50.75,24.38) 50.75,23.41 51.33,22.83 56.56,22.83 v8(57.5,23.77)
  SIGNAL-L4 w0.1: v15(57.5,24.7) 57.5,30.26 56.85,30.92 v16(56.33,30.92)
MIC1_IN: length 15.6
  TOP w0.1: v8(59.31,49.81) 58.07,49.81 57.33,50.55 57.33,53.18 56.9,53.61 56.9,54.39 56.11,55.18 55.06,55.18 54.79,55.45 54.79,55.81 54.64,55.96 J13.8